# Altium PCB RTU PCB v1.4.PcbDoc (part 2 of 2)
Units mm, origin at the board's own origin, x right, y up, seen from the top; angles counter-clockwise.
Board outline 270.31 x 104.06 mm, 2 copper layers (Top Layer, Bottom Layer); 361 components, 282 nets, 1153 pads, 0 vias.
Unrouted connection lines stored in the file: 810.
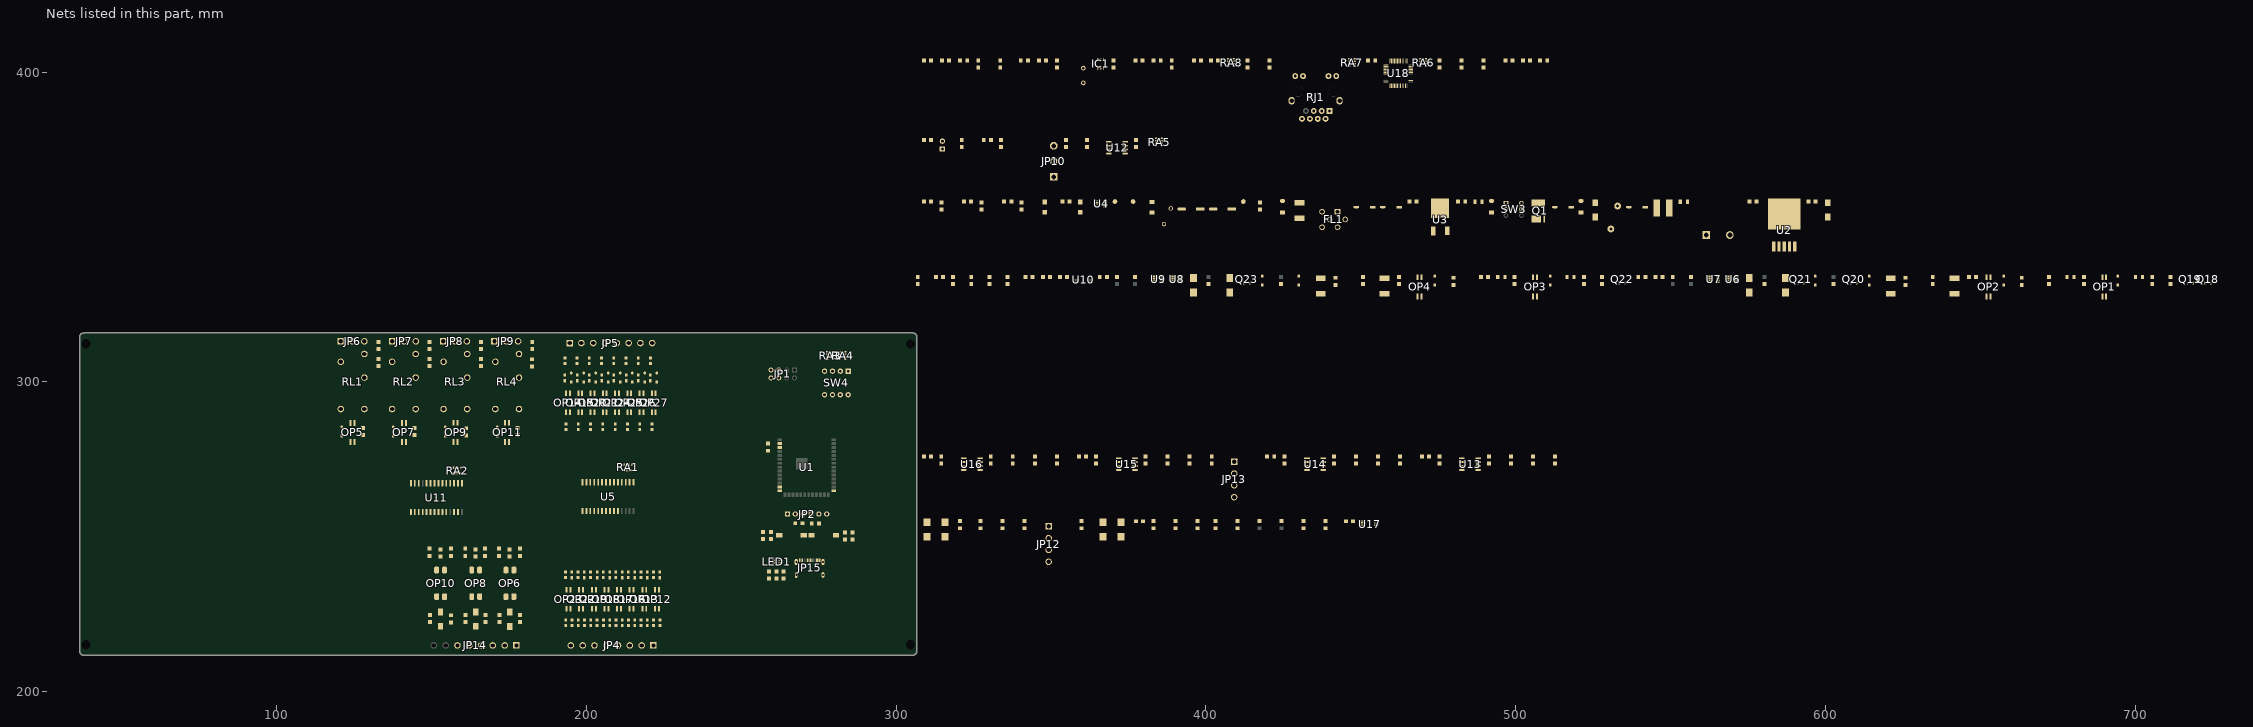
[diagram p2: the nets of this part, all layers, seen from the top]

## Part data
C1 C2 C3 C4 C5 C6 C7 C8 C9 C10 C11 C12 C13 C14 C15 C16 C17 C18 C19 C20 C21 C22 C23 C24 C25 C26 C27 C28: library part C, "Non-polar patch capacitor", BOM名称=无极性贴片电容, 学习资源=www.ooocke.com, 版权归属=源创客
D1 D2 D5 D6 D9 D10 D13 D14 D17 D18 D19 D20 D21 D22 D23 D24 D25 D27 D29 D31: "High speed switching diode", BOM名称=高速开关二极管, 学习资源=www.ooocke.com, 版权归属=源创客
D26 D28 D30: "Rectifier diode", BOM名称=整流二极管, 学习资源=www.ooocke.com, 版权归属=源创客
E1 E2 E3 E4 E5 E6: library part C-CM, "Chip electrolytic capacitor", BOM名称=贴片电解电容, 学习资源=www.ooocke.com, 版权归属=源创客
F1 F2 F3 F5 F6 F7 F8: library part FU, "Chip fuse", BOM名称=贴片保险丝, 学习资源=www.ooocke.com, 版权归属=源创客
FB1 FB2 FB3 FB4 FB5 FB6: library part FB, "Ferrite Bead", BOM名称=贴片电阻, 学习资源=www.ooocke.com, 版权归属=源创客
FL1: "LC EMI Filter 5th Order Low Pass 2 Channel 10A Block, 4 Lead", Package="Block-4 Murata", Availability=Unavailable, MF=Murata, MP=BNX002-01, Price=None, SnapEDA_Link=https://www.snapeda.com/parts/BNX002-01/Murata%20Electronics%20North%20America/view-part/12269/?ref=snap
IC1: "ESD Protection Diode Array, 5-Line"
JP1: "4*2P Connector", BOM名称=4*2P接插件, 学习资源=www.ooocke.com, 版权归属=源创客
JP2: library part "Header 6", "6P Connector", BOM名称=6P接插件, 学习资源=www.ooocke.com, 版权归属=源创客
JP3 JP11: library part "Header 2", "2P Connector", BOM名称=2P接插件, 学习资源=www.ooocke.com, 版权归属=源创客
JP4 JP5 JP14: library part "Header 8", "8P Connector", BOM名称=8P接插件, 学习资源=www.ooocke.com, 版权归属=源创客
JP6 JP7 JP8 JP9 JP10: library part "Header 3", "3P Connector", BOM名称=3P接插件, 学习资源=www.ooocke.com, 版权归属=源创客
JP12 JP13: library part "Header 4", "4P Connector", BOM名称=4P接插件, 学习资源=www.ooocke.com, 版权归属=源创客
JP15: library part USB-C-RIGHT
L1: library part L-CD, "Chip power inductor", BOM名称=功率电感, 学习资源=www.ooocke.com, 版权归属=源创客
L2: library part L, "Low power chip inductor", BOM名称=小功率贴片电感, 学习资源=www.ooocke.com, 版权归属=源创客
LED2 LED3 LED4 LED5 LED6 LED7 LED8 LED9 LED10 LED11 LED12 LED13 LED14 LED15 LED16 LED17 LED18 LED19 LED20 LED21 LED22 LED23 LED24 LED25 LED26 LED27 LED28 LED29 LED30 LED31 LED32 LED33: "Patch LED", BOM名称=贴片LED, 学习资源=www.ooocke.com, 版权归属=源创客
OP6 OP8 OP10: "AC Input Photocoupler", BOM名称=线性光耦, 学习资源=www.ooocke.com, 版权归属=源创客
Q18 Q19 Q22: "P-Channel Enhancement Mode Field-Effect Transistor"
Q20 Q21 Q23: library part 2N7002-SMD, "N-Channel Enhancement Mode Field Effect Transistor"
R1 R2 R3 R4 R5 R6 R7 R8 R9 R10 R11 R12 R13 R14 R15 R16 R17 R18 R19 R20 R21 R22 R23 R24 R25 R26 R27 R28 R29 R30 R31 R32 R33 R34 R35 R36 R37 R38 R39 R40 R41 R42 R43 R44 R45 R47 R48 R49 R50 R51 R52 R53 R54 R55 R57 R60 R61 R62 R64 R66 R67 R68 R69 R70 R71 R72 R73 R74 R75 R76 R77 R78 R79 R80 R81 R82 R83 R84 R85 R86 R87 R88 R89 R90 R91 R92 R93 R94 R95 R97 R98 R99 R100 R101 R102 R104 R106 R107 R108 R109 R111 R112 R113 R114 R116 R117 R118 R119 R120 R121 R122 R123 R124 R125 R126 R127 R128 R129 R130 R131 R132 R133 R134 R135 R136 R137 R138 R139 R140 R141 R142 R143 R144 R145 R146 R147 R148 R149 R150 R151 R152 R153 R154 R155 R156 R157 R158 R159 R160 R161 R162: library part R, "Chip resistor", BOM名称="Chip resistor", 学习资源=www.ooocke.com, 版权归属=源创客
RA1 RA2 RA3 RA4 RA5 RA6 RA7 RA8: library part R-ARR, "4 way Chip Resistor Array"
RJ1: "Illuminated Ethernet interface", BOM名称=带灯以太网接口, 学习资源=www.ooocke.com, 版权归属=源创客
RU1 RU2: library part V, "Versiror"
SW1 SW2: library part "TSW 3x6", "3x6 tact switch", BOM名称=3x6轻触开关, 学习资源=www.ooocke.com, 版权归属=源创客
SW3: "7*7 switch", BOM名称=7*7开关, 学习资源=www.ooocke.com, 版权归属=源创客
SW4: "4-way code switch", BOM名称=4路编码开关, 学习资源=www.ooocke.com, 版权归属=源创客
TZ1 TZ2 TZ3 TZ4 TZ5 TZ6 TZ7 TZ8: library part SMBJ-CA, "Surface Mount TRANSZORB® Transient Voltage Suppressors"
U2: library part LM2596, "DC step-down chip", BOM名称=DC稳压芯片, 学习资源=www.ooocke.com, 版权归属=源创客
U3: "Linear Voltage Regulator IC 1 Output 1.5A DPAK"
U10 U17: "ADS111x Ultra-Small, Low-Power, I / 2C-Compatible, 860-SPS, 16-Bit ADCs / With Internal Reference, Oscillator, and Programmable Comparator", BOM名称=数字电位器, 学习资源=www.ooocke.com, 版权归属=源创客
U12: "RS485/RS422 Transceivers", BOM名称=MAX232, 学习资源=www.ooocke.com, 版权归属=源创客
U13 U14 U15 U16: "Dual op amp", BOM名称=双路运放, 学习资源=www.ooocke.com, 版权归属=源创客
U18: library part W5500
VD1: "Schottky diodes", BOM名称=肖特基二极管, 学习资源=www.ooocke.com, 属性=40V/3A, 版权归属=源创客
X1: library part XTAL-2, "2-Pin crystal", BOM名称=2脚晶振, 学习资源=www.ooocke.com, 版权归属=源创客
Z1 Z3: library part 1N4106, "12V/0.5W voltage regulator", BOM名称=12V/0.5W稳压管, 学习资源=www.ooocke.com, 版权归属=源创客
Z2: "12V/0.5W voltage regulator", BOM名称=12V/0.5W稳压管, 学习资源=www.ooocke.com, 版权归属=源创客
TP1 TP2 TP3: Category=MISC, Company="SJ Libraries", ComponentLink1Description=Datasheet, Designer="Eng. Saeid Jorablo", HelpURL=http://s3.picofile.com/file/7443264187/Coming_Soon_logo.gif, Mounting Technology="Surface Mount\Through-Hole", Pin Count=0, Rule="Component Clearance Constraint [Horizontal Clearance = 0mil    Vertical Clearance = 0mil]", Update Date=6/3/2012

## Free pads (board coordinates)
  round 1.524 hole 3: 5(38.436,312.335) 5(38.481,215.138) 5(304.633,215.125) 5(304.654,312.231)

## Nets (pads, with @x,y where several pads share a name; then routed paths per layer and width w, separated by ;. In a path a pad name is that pad's centre, name@x,y a point inside that pad or via, vN(x,y) a via of type N, cw(c..) or ccw(c..) an arc to the next point about the centre after c; other vN are vias at no path point)
3.3V: C1.1 C2.2 C3.2 C4.2 C5.2 C7.2 C9.1 C10.1 C17.2 F2.2 FB3.1 FB5.1 JP1.5 JP2.1 L2.1 LED1.3 LED2.1 LED5.1 OP6.4 OP8.4 OP10.4 OP12.4 OP13.4 OP16.4 OP17.4 OP18.4 OP19.4 OP22.4 OP23.4 R4.2 R5.2 R119.2 R156.2 R157.2 RA1.8 RA2.5 RA2.6 RA2.7 RA2.8 RA5.5 RA5.6 RA5.7 RA5.8 RA6.5 RA6.6 RA6.7 RA6.8 RA8.5 RA8.6 RA8.7 RA8.8 SW4.1 SW4.2 SW4.3 SW4.4 U1.2 U4.5 U5.9 U6.5 U7.1 U7.5 U8.2 U8.5 U9.1 U9.2 U9.5 U11.9 U12.8 U18.28
24V: D1.2 D2.2 D5.2 D6.2 D9.2 D10.2 D13.2 D14.2 D17.2 D18.2 D21.2 D22.2 FB1.2 Q18.3 Q19.3 Q22.3 R13.2 R21.2 R24.2 R41.2 R42.2 R53.2 R54.2 R60.2 R61.2 R66.1 R67.1 R69.1 R72.1 R78.1 R79.1 R81.1 R84.1 SW3.1 SW3.6 TP1.1 U4.8 U13.8 U14.8 U15.8 U16.8
24VIN: JP3.1 Q1.5-8 RU1.2 RU2.2
24VSwitch: Q1.1-3 SW3.2 SW3.5 Z2.2
485_A: JP10.2 R118.2 R119.1 R120.2
485_B: JP10.1 JP11.1 R116.2 R117.2
/INT: RA8.2 U18.36
/RESET: RA8.1 U18.37
/SPI-SCS: RA8.4 U18.32
AC_DETECT_1: LED28.1 OP6.3 R99.2 U11.28
AC_DETECT_2: LED30.1 OP8.3 R106.2 U11.27
AC_DETECT_3: LED32.1 OP10.3 R112.2 U11.26
AC_INT: U11.20
ACINF1: JP14.1 R97.2
ACINF2: JP14.3 R102.2
ACINF3: JP14.5 R109.2
ACINN1: JP14.2 R26.2
ACINN2: JP14.4 R28.2
ACINN3: JP14.6 R44.2
ACTLED: RJ1.10 U18.27
ADC_ALERT: R144.1 U17.2
ADS_IN0: R150.1 R152.1 U17.4
ADS_IN1: R149.1 R151.1 U17.5
ADS_IN2: R146.1 R148.1 U17.6
ADS_IN3: R145.1 R147.1 U17.7
AIN1: JP12.1 R150.2 TZ8.2
AIN2: JP12.2 R149.2 TZ7.2
AIN3: JP12.3 R146.2 TZ6.2
AIN4: JP12.4 R145.2 TZ5.2
AOUT1: JP13.1 R122.2
AOUT2: JP13.2 R127.2
AOUT3: JP13.3 R132.2
AOUT4: JP13.4 R137.2
DI: RA5.3 U12.4
DIN0: LED7.1 OP12.3 R22.1 U5.21
DIN1: LED8.1 OP13.3 R23.1 U5.22
DIN2: LED11.1 OP16.3 R33.1 U5.23
DIN3: LED12.1 OP17.3 R34.1 U5.24
DIN4: LED13.1 OP18.3 R39.1 U5.25
DIN5: LED14.1 OP19.3 R40.1 U5.26
DIN6: LED17.1 OP22.3 R51.1 U5.27
DIN7: LED18.1 OP23.3 R52.1 U5.28
DIN_INT: U5.20
DIN_PORT_1: JP4.1 R17.1
DIN_PORT_2: JP4.2 R18.1
DIN_PORT_3: JP4.3 R29.1
DIN_PORT_4: JP4.4 R30.1
DIN_PORT_5: JP4.5 R35.1
DIN_PORT_6: JP4.6 R36.1
DIN_PORT_7: JP4.7 R47.1
DIN_PORT_8: JP4.8 R48.1
DIO_RESET: RA1.1 U5.18
DOUT0: R25.1 U5.1
DOUT1: R27.1 U5.2
DOUT2: R43.1 U5.3
DOUT3: R45.1 U5.4
DOUT4: R55.1 U5.5
DOUT5: R57.1 U5.6
DOUT6: R62.1 U5.7
DOUT7: R64.1 U5.8
DOUT_INT: U5.19
DOUT_PORT_1: D1.1 JP5.1 LED9.2 OP14.4
DOUT_PORT_2: D2.1 JP5.2 LED10.2 OP15.4
DOUT_PORT_3: D5.1 JP5.3 LED15.2 OP20.4
DOUT_PORT_4: D6.1 JP5.4 LED16.2 OP21.4
DOUT_PORT_5: D9.1 JP5.5 LED19.2 OP24.4
DOUT_PORT_6: D10.1 JP5.6 LED20.2 OP25.4
DOUT_PORT_7: D13.1 JP5.7 LED21.2 OP26.4
DOUT_PORT_8: D14.1 JP5.8 LED22.2 OP27.4
EMI_OUT: E5.1 F3.2 F4.2 FB1.1 FL1.2
EN: JP2.2 R4.1 R6.2 U1.3
ETH_CLK: U18.33
ETH_MISO: U18.34
ETH_MOSI: U18.35
GND: C2.1 C3.1 C4.1 C5.1 C7.1 C11.2 C12.2 C13.2 C14.2 D19.2 D20.2 D23.2 D24.2 E1.2 E2.2 E3.2 E4.2 E6.2 FB2.2 FL1.3 JP1.7 JP1.8 JP3.2 JP15.A1 JP15.A12 JP15.B1 JP15.B12 JP15.S1 JP15.S2 JP15.S3 JP15.S4 LED3.2 OP1.3 OP2.3 OP3.3 OP4.3 OP5.3 OP7.3 OP9.3 OP11.3 OP12.2 OP13.2 OP14.3 OP15.3 OP16.2 OP17.2 OP18.2 OP19.2 OP20.3 OP21.3 OP22.2 OP23.2 OP24.3 OP25.3 OP26.3 OP27.3 Q20.2 Q21.2 Q23.2 R9.1 R11.1 R76.2 R77.2 R88.2 R89.2 R125.2 R130.2 R135.2 R140.2 RU1.1 RU2.1 TP3.1 TZ1.1 TZ2.1 TZ3.1 TZ4.1 TZ5.1 TZ6.1 TZ7.1 TZ8.1 U2.3 U2.5 U3.1 U4.2 U4.6 U6.1 U6.2 U6.6 U7.2 U7.6 U8.1 U8.6 U9.6 U13.4 U14.4 U15.4 U16.4 VD1.1 Z1.1 Z3.1
GND_F: C1.2 C9.2 C10.2 C17.1 C18.1 C19.2 C20.1 C21.2 C23.2 C24.2 C25.2 C27.2 C28.2 E5.2 FB2.1 FB4.1 FB6.1 FL1.4 FL1.5 FL1.6 IC1.2 JP2.6 JP10.3 OP1.2 OP2.2 OP3.2 OP4.2 OP5.2 OP7.2 OP9.2 OP11.2 OP14.2 OP15.2 OP20.2 OP21.2 OP24.2 OP25.2 OP26.2 OP27.2 R14.2 R15.2 R16.2 R19.2 R20.2 R22.2 R23.2 R31.2 R32.2 R33.2 R34.2 R37.2 R38.2 R39.2 R40.2 R49.2 R50.2 R51.2 R52.2 R98.1 R99.1 R104.1 R106.1 R111.1 R112.1 R116.1 R158.1 R161.2 RA1.5 RA1.6 RA1.7 RA4.1 RA4.2 RA4.3 RA4.4 RA7.5 RA7.6 RA7.7 RA7.8 RJ1.8 SW1.2 SW2.2 TP2.1 U5.10 U11.10 U12.5 U18.3 U18.9 U18.14 U18.16 U18.19 U18.29 U18.48
GNDA: C6.1 C8.1 C15.1 C16.1 FB4.2 FB6.2 R141.1 R147.2 R148.2 R151.2 R152.2 U10.3 U17.3
GPIO1: F5.2 TZ1.2
GPIO2: F6.2 TZ2.2
GPIO3: F7.2 TZ3.2
GPIO4: F8.2 TZ4.2
GPIO_ADDR: R93.2 U10.1
GPIO_ALERT: R92.1 U10.2
GPIO_INT_2: U11.19
GPIO_RESET: RA2.1 U11.18
GPIO_SCL: R90.1 U6.4 U7.4 U8.4 U9.4 U10.10 U11.12
GPIO_SDA: R91.1 U6.3 U7.3 U8.3 U9.3 U10.9 U11.13
GPIO_TRG_1: R68.2 U11.1
GPIO_TRG_2: R71.2 U11.2
GPIO_TRG_3: R80.2 U11.3
GPIO_TRG_4: R83.2 U11.4
IO0: JP2.3 R5.1 R7.2 R8.2 U1.27
LEDB: R1.2
LEDG: R3.2
LEDR: R2.2
LINKLED: RJ1.12 U18.25
LM_In+: E1.1 F3.1 F4.1 LED4.1 U2.1
MCP2_A0: RA2.2 U11.15
MCP2_A1: RA2.3 U11.16
MCP2_A2: RA2.4 U11.17
MCP_A0: RA1.2 U5.15
MCP_A1: RA1.3 U5.16
MCP_A2: RA1.4 U5.17
MSW_1: RA3.8 RA4.5 U11.24
MSW_2: RA3.7 RA4.6 U11.23
MSW_3: RA3.6 RA4.7 U11.22
MSW_4: RA3.5 RA4.8 U11.21
NetC11_1: C11.1 R124.2 U13.3
NetC12_1: C12.1 R129.2 U14.3
NetC13_1: C13.1 R134.2 U15.3
NetC14_1: C14.1 R139.2 U16.3
NetC21_1: C21.1 RJ1.0
NetC27_1: C27.1 U18.20
NetD17_1: D17.1 D19.1 Q18.2 Q20.3 R70.1 U6.8
NetD18_1: D18.1 D20.1 Q19.2 Q21.3 R73.1 U7.8
NetD21_1: D21.1 D23.1 R82.1 U8.8
NetD22_1: D22.1 D24.1 Q22.2 Q23.3 R85.1 U9.8
NetD25_1: D25.1 LED27.2 OP5.4 RL1.1
NetD26_1: D26.1 OP6.2 R26.1
NetD26_2: D26.2 OP6.1 R97.1
NetD27_1: D27.1 LED29.2 OP7.4 RL2.1
NetD28_1: D28.1 OP8.2 R28.1
NetD28_2: D28.2 OP8.1 R102.1
NetD29_1: D29.1 LED31.2 OP9.4 RL3.1
NetD30_1: D30.1 OP10.2 R44.1
NetD30_2: D30.2 OP10.1 R109.1
NetD31_1: D31.1 LED33.2 OP11.4 RL4.1
NetE2_1: E2.1 E3.1 F1.1 L1.2 R10.2 U3.3 Z1.2
NetE4_1: E4.1 F2.1 R12.2 U3.2 Z3.2
NetE6_1: E6.1 FL1.1 R13.1 U4.7
NetF5_1: F5.1 R70.2 R74.1 U6.7
NetF6_1: F6.1 R73.2 R75.1 U7.7
NetF7_1: F7.1 R82.2 R86.1 U8.7
NetF8_1: F8.1 R85.2 R87.1 U9.7
NetJP6_1: JP6.1 RL1.3
NetJP6_2: JP6.2 RL1.2
NetJP6_3: JP6.3 RL1.4
NetJP7_1: JP7.1 RL2.3
NetJP7_2: JP7.2 RL2.2
NetJP7_3: JP7.3 RL2.4
NetJP8_1: JP8.1 RL3.3
NetJP8_2: JP8.2 RL3.2
NetJP8_3: JP8.3 RL3.4
NetJP9_1: JP9.1 RL4.3
NetJP9_2: JP9.2 RL4.2
NetJP9_3: JP9.3 RL4.4
NetJP11_2: JP11.2 R120.1
NetJP15_A2: 
NetJP15_A10: 
NetJP15_B2: 
NetJP15_B10: 
NetL1_1: L1.1 U2.2 VD1.2
NetLED1_1: LED1.1 R1.1
NetLED1_2: LED1.2 R3.1
NetLED1_4: LED1.4 R2.1
NetLED2_2: LED2.2 R8.1
NetLED3_1: LED3.1 R12.1
NetLED4_2: LED4.2 R14.1
NetLED5_2: LED5.2 R15.1
NetLED6_2: LED6.2 R16.1
NetLED7_2: LED7.2 R19.1
NetLED8_2: LED8.2 R20.1
NetLED9_1: LED9.1 R21.1
NetLED10_1: LED10.1 R24.1
NetLED11_2: LED11.2 R31.1
NetLED12_2: LED12.2 R32.1
NetLED13_2: LED13.2 R37.1
NetLED14_2: LED14.2 R38.1
NetLED15_1: LED15.1 R41.1
NetLED16_1: LED16.1 R42.1
NetLED17_2: LED17.2 R49.1
NetLED18_2: LED18.2 R50.1
NetLED19_1: LED19.1 R53.1
NetLED20_1: LED20.1 R54.1
NetLED21_1: LED21.1 R60.1
NetLED22_1: LED22.1 R61.1
NetLED23_1: LED23.1 R66.2
NetLED23_2: LED23.2 OP1.4 Q18.1 Q20.1 R69.2
NetLED24_1: LED24.1 R67.2
NetLED24_2: LED24.2 OP2.4 Q19.1 Q21.1 R72.2
NetLED25_1: LED25.1 R78.2
NetLED25_2: LED25.2 OP3.4 R81.2
NetLED26_1: LED26.1 R79.2
NetLED26_2: LED26.2 OP4.4 Q22.1 Q23.1 R84.2
NetLED27_1: LED27.1 R94.2
NetLED28_2: LED28.2 R98.2
NetLED29_1: LED29.1 R100.2
NetLED30_2: LED30.2 R104.2
NetLED31_1: LED31.1 R107.2
NetLED32_2: LED32.2 R111.2
NetLED33_1: LED33.1 R113.2
NetOP1_1: OP1.1 R68.1
NetOP2_1: OP2.1 R71.1
NetOP3_1: OP3.1 R80.1
NetOP4_1: OP4.1 R83.1
NetOP5_1: OP5.1 R95.1
NetOP7_1: OP7.1 R101.1
NetOP9_1: OP9.1 R108.1
NetOP11_1: OP11.1 R114.1
NetOP12_1: OP12.1 R17.2
NetOP13_1: OP13.1 R18.2
NetOP14_1: OP14.1 R25.2
NetOP15_1: OP15.1 R27.2
NetOP16_1: OP16.1 R29.2
NetOP17_1: OP17.1 R30.2
NetOP18_1: OP18.1 R35.2
NetOP19_1: OP19.1 R36.2
NetOP20_1: OP20.1 R43.2
NetOP21_1: OP21.1 R45.2
NetOP22_1: OP22.1 R47.2
NetOP23_1: OP23.1 R48.2
NetOP24_1: OP24.1 R55.2
NetOP25_1: OP25.1 R57.2
NetOP26_1: OP26.1 R62.2
NetOP27_1: OP27.1 R64.2
NetQ1_4: Q1.4 R11.2 Z2.1
NetR6_1: R6.1 SW1.1
NetR7_1: R7.1 SW2.1
NetR9_2: R9.2 R10.1 U2.4
NetR117_1: R117.1 U12.7
NetR118_1: R118.1 U12.6
NetR121_1: R121.1 R125.1 U13.2
NetR121_2: R121.2 R123.1 U13.1
NetR122_1: R122.1 U13.6 U13.7
NetR123_2: R123.2 U13.5
NetR126_1: R126.1 R130.1 U14.2
NetR126_2: R126.2 R128.1 U14.1
NetR127_1: R127.1 U14.6 U14.7
NetR128_2: R128.2 U14.5
NetR131_1: R131.1 R135.1 U15.2
NetR131_2: R131.2 R133.1 U15.1
NetR132_1: R132.1 U15.6 U15.7
NetR133_2: R133.2 U15.5
NetR136_1: R136.1 R140.1 U16.2
NetR136_2: R136.2 R138.1 U16.1
NetR137_1: R137.1 U16.6 U16.7
NetR138_2: R138.2 U16.5
NetR141_2: R141.2 U17.1
NetR156_1: R156.1 RJ1.9
NetR157_1: R157.1 RJ1.11
NetR158_2: R158.2 U18.10
NetR161_1: R161.1 U18.23
NetRA3_1: RA3.1 SW4.8
NetRA3_2: RA3.2 SW4.7
NetRA3_3: RA3.3 SW4.6
NetRA3_4: RA3.4 SW4.5
PMODE0: RA6.1 U18.45
PMODE1: RA6.2 U18.44
PMODE2: RA6.3 U18.43
PWMin1: R124.1
PWMin2: R129.1
PWMin3: R134.1
PWMin4: R139.1
R\E\: RA5.2 U12.2 U12.3
RCT: C24.1 R159.1 R162.2 RJ1.5
RELAY_1: R95.2 U11.5
RELAY_2: R101.2 U11.6
RELAY_3: R108.2 U11.7
RELAY_4: R114.2 U11.8
RO: RA5.1 U12.1
RSVD1: RA6.4 U18.42
RSVD2: RA7.1 U18.41
RSVD3: RA7.2 U18.40
RSVD4: RA7.3 U18.39
RSVD5: RA7.4 U18.38
RX: JP2.4
RXN: C26.1 R162.1 U18.5
RXNNET: C26.2 IC1.4 RJ1.6
RXP: C22.1 R159.2 U18.6
RXPNET: C22.2 IC1.6 RJ1.3
TCT: C19.1 R155.2 RJ1.4
TX: JP2.5
TXN: IC1.3 R154.2 RJ1.2 U18.1
TXP: IC1.1 R153.1 RJ1.1 U18.2
USB_DN: JP15.A7 JP15.B7 U1.13
USB_DP: JP15.A6 JP15.B6 U1.14
VCC-1V2: C28.1 U18.22
VCC-3V3A: C18.2 C20.2 L2.2 R153.2 R154.1 R155.1 U18.4 U18.8 U18.11 U18.15 U18.17 U18.21
VDD: C6.2 C8.2 C15.2 C16.2 FB3.2 FB5.2 R90.2 R91.2 R92.2 R93.1 R142.2 R143.2 R144.2 U10.8 U17.8
VOUT: D25.2 D27.2 D29.2 D31.2 F1.2 JP1.6 JP15.A4 JP15.A9 JP15.B4 JP15.B9 LED6.1 R94.1 R100.1 R107.1 R113.1 RL1.5 RL2.5 RL3.5 RL4.5
XI: C25.1 R160.1 U18.30 X1.1
XO: C23.1 R160.2 U18.31 X1.2
pads on no net: IC1.5 JP1.1 JP1.2 JP1.3 JP1.4 JP14.7 JP14.8 JP15. JP15.A5 JP15.A8 JP15.B5 JP15.B8 R74.2 R75.2 R76.1 R77.1 R86.2 R87.2 R88.1 R89.1 R142.1 R143.1 RA5.4 RA8.3 RJ1.7 SW3.3 SW3.4 U1.1 U1.4 U1.5 U1.6 U1.7 U1.8 U1.9 U1.10 U1.11 U1.12 U1.15 U1.16 U1.17 U1.18 U1.19 U1.20 U1.21 U1.22 U1.23 U1.24 U1.25 U1.26 U1.28 U1.29 U1.30 U1.31 U1.32 U1.33 U1.34 U1.35 U1.36 U1.37 U1.38 U1.39 U1.40 U4.1 U4.3 U4.4 U5.11 U5.12 U5.13 U5.14 U10.4 U10.5 U10.6 U10.7 U11.11 U11.14 U11.25 U17.9 U17.10 U18.7 U18.12 U18.13 U18.18 U18.24 U18.26 U18.46 U18.47

## Keep-outs
Keep-Out Layer:
  lines w0.254: 36.5,213.157 ccw(c37.757,213.144) 37.744,211.887 ; 36.5,314.427 cw(c37.757,314.414) 37.77,315.671 ; 36.512,213.131 36.512,314.427 ; 37.694,211.887 305.283,211.887 ccw(c305.295,213.144) 306.553,213.131 ; 37.77,315.697 305.359,315.697 ; 305.308,315.697 cw(c305.295,314.439) 306.553,314.427 ; 306.554,213.017 306.554,314.34

## Silkscreen, mask and mechanical layers (free items; w line width, h text height)
Mechanical 13:
  lines w0.254: 280.568,211.836 277.52,211.836 269.011,211.836 300.253,211.836

## Text inside footprints (layer, text, board x,y; h text height)
JP1: Top Overlay "7" at 254.184,304.564 h1 r180; Top Overlay "8" at 254.184,302.024 h1 r180; Top Overlay "1" at 273.538,304.361 h1 r180; Top Overlay "2" at 273.792,301.821 h1 r180
RJ1: Multi-Layer "J10" at 429.242,385.577 h1 r90
SW4: Top Overlay "ON" at 284.255,297.896 h1 r180